# KiCad board cynthion.kicad_pcb (continued)
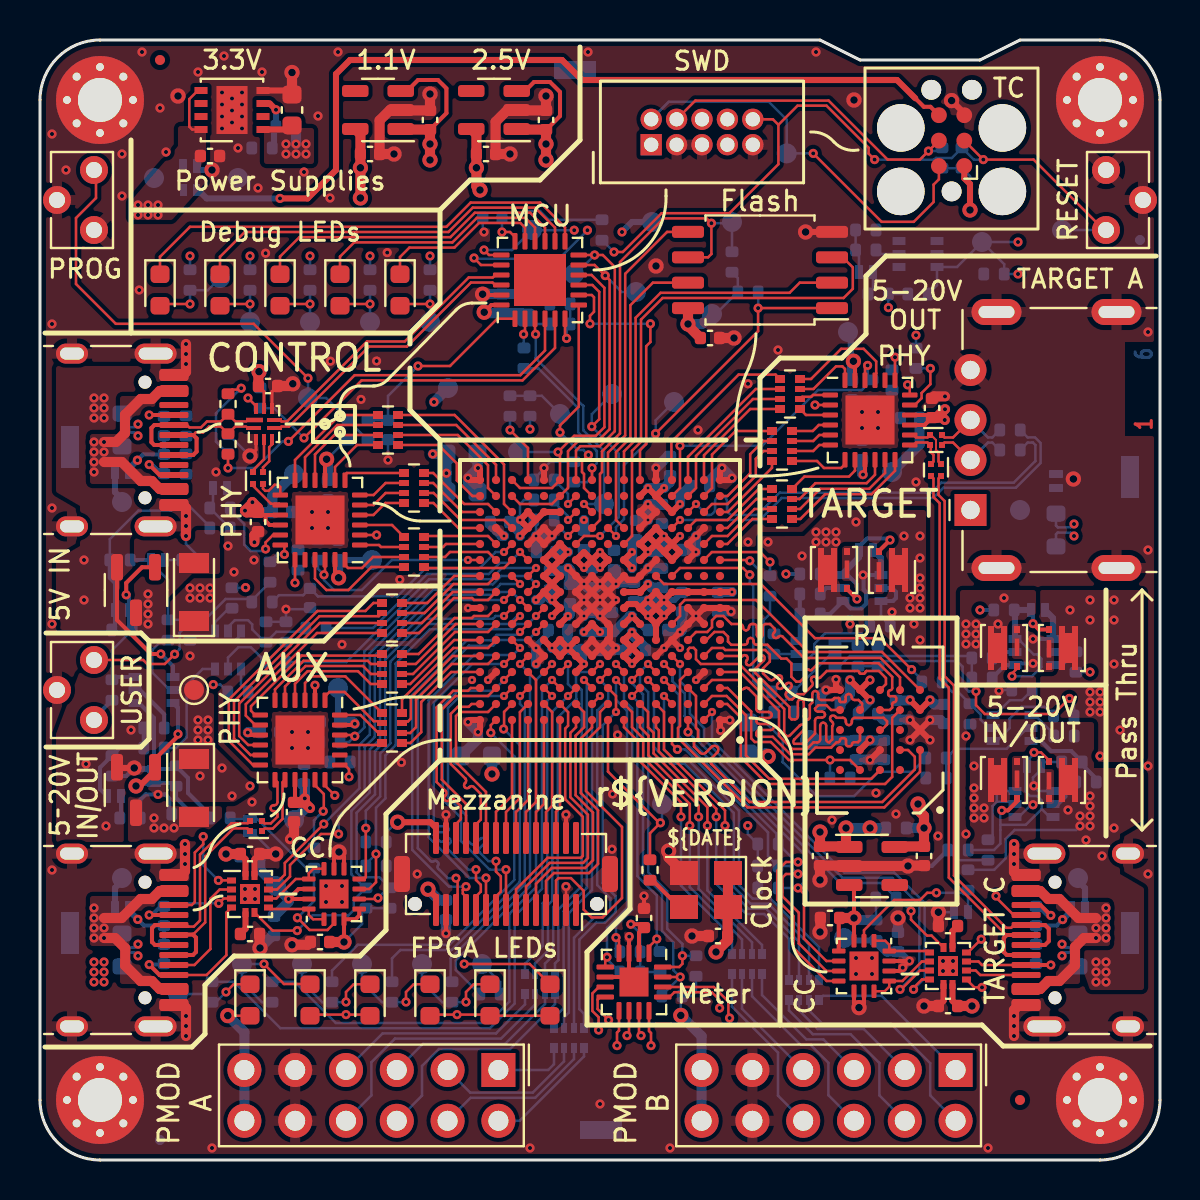
[diagram p0: board, top side]
## Routing (per net, layer and track width the routed paths; a pad name or vN(x,y) marks a point on that pad's centre or on a via; arc(x,y) is an arc through that point) (continued)
/AUX Port/AUX PHY/NXT: length 5.6
  Top w0.127: U11.3 13.25,23.85 13.58,24.18 15.27,24.18 RN8.5
/AUX Port/AUX PHY/PHY_D+: length 3.3
  Top w0.127: U11.14 12.13,18.89 12.13,17.06 11.64,16.57 11.22,16.57 FL1.1
/AUX Port/AUX PHY/PHY_D-: length 3.3
  Top w0.127: U11.13 11.87,18.89 11.87,17.89 arc(11.83,17.78) 11.72,17.74 11.68,17.74 arc(11.58,17.7) 11.53,17.59 arc(11.58,17.48) 11.68,17.44 11.72,17.44 arc(11.83,17.4) 11.87,17.29 11.87,17.16 11.54,16.83 11.22,16.83 FL1.3
/AUX Port/AUX PHY/RBIAS: length 1.7
  Top w0.127: v1(15.45,19.16) 15.45,19.54 15.24,19.75 U11.19
  Bottom w0.127: R20.2 15.45,19.84 v1(15.45,19.16)
/AUX Port/AUX PHY/STP: length 2.5
  Top w0.127: RN8.7 16.92,21.35 16.02,22.25 U11.24
/AUX Port/AUX Type C Controller/CC1: length 5.7
  Top w0.127: v1(8.94,12.83) 9.19,13.08 U14.3
  Top w0.203: J1.A5 v1(5.46,12.25)
  Bottom w0.127: v1(8.94,12.83) 6.35,12.83 C52.1
  Bottom w0.203: C52.1 6.02,12.68 5.59,12.25 v1(5.46,12.25)
/AUX Port/AUX Type C Controller/CC1S: length 3.6
  Top w0.127: U14.8 11.81,13.08 12.79,14.05 U12.11 13.44,14.33 13.67,14.56 U12.10
/AUX Port/AUX Type C Controller/CC2: length 7.7
  Top w0.127: U14.4 9.32,12.37 9.32,10.24 8.33,9.25 J1.B5
  Top w0.203: v1(5.46,9.77) 5.98,9.25 J1.B5
  Bottom w0.203: v1(5.46,9.77) 6.15,9.77 C53.1
/AUX Port/AUX Type C Controller/CC2S: length 3.2
  Top w0.127: U14.7 11.5,12.55 U12.14 13.44,12.25 13.65,12.04 U12.1
/AUX Port/AUX Type C Controller/VCONN: length 6.1
  Top w0.203: U12.13 v1(12.43,13.05) 12.93,13.55 U12.12
  Bottom w0.508: C51.1 12.43,12.91 v1(12.43,13.05) 11.8,13.68 TP37.1 11.01,14.49 R32.1
/AUX Port/AUX_D+: length 10.1
  Top w0.127: 7.65,11.27 8.26,11.88 8.26,15.17 9.67,16.58 10.37,16.58 FL1.2
  Top w0.203: J1.A6 6.72,11.27 7.65,11.27 7.8,11.12 7.8,10.4 7.65,10.25 J1.B6
/AUX Port/AUX_D-: length 11
  Top w0.127: FL1.4 10.39,16.84 9.57,16.84 8,15.27 8,11.98 7.69,11.67 7.42,11.67 7.34,11.75 J1.B7
  Top w0.203: J1.A7 5.75,10.75 5.6,10.9 5.6,11.6 5.75,11.75 J1.B7
/AUX Port/AUX_PHY.CLK: length 6.3
  Top w0.127: IC1.D16 20.56,24.4 19.06,22.9 19.06,21.39 18.52,20.85 RN8.1
/AUX Port/AUX_PHY.DATA0: length 4.8
  Top w0.127: IC1.F16 20.71,26 18.51,23.8 RN9.1
/AUX Port/AUX_PHY.DATA1: length 5.7
  Top w0.127: RN9.2 18.65,24.3 20.75,26.4 22.4,26.4 IC1.G15
/AUX Port/AUX_PHY.DATA2: length 4.7
  Top w0.127: RN9.3 18.79,24.8 20.79,26.8 IC1.G16
/AUX Port/AUX_PHY.DATA3: length 5.7
  Top w0.127: RN9.4 18.93,25.3 20.73,27.1 21.6,27.1 21.7,27.2 22.4,27.2 IC1.H15
/AUX Port/AUX_PHY.DATA4: length 5.6
  Top w0.127: RN10.1 18.95,26.35 20.7,28.1 21.6,28.1 21.7,28 22.4,28 IC1.J15
/AUX Port/AUX_PHY.DATA5: length 4.5
  Top w0.127: RN10.2 19.09,26.85 20.64,28.4 IC1.J16
/AUX Port/AUX_PHY.DATA6: length 5.5
  Top w0.127: RN10.3 19.23,27.35 20.68,28.8 22.4,28.8 IC1.K15
/AUX Port/AUX_PHY.DATA7: length 4.5
  Top w0.127: IC1.K16 20.71,29.2 19.36,27.85 RN10.4
/AUX Port/AUX_PHY.DIR: length 5.9
  Top w0.127: IC1.E16 20.63,25.2 18.54,23.11 18.54,22.07 18.4,21.93 18.18,21.93 RN8.3
/AUX Port/AUX_PHY.NXT: length 6.6
  Top w0.127: RN8.4 18.1,23.03 20.67,25.6 22.4,25.6 IC1.F15
/AUX Port/AUX_PHY.STP: length 7.1
  Top w0.127: RN8.2 18.51,21.35 18.8,21.64 18.8,23.01 20.59,24.8 22.4,24.8 IC1.E15
/AUX Port/AUX_PHY.~{RESET}: length 17
  Top w0.127: U11.22 15.68,21.25 v1(15.74,21.19) ; IC1.J13 v2(24.8,28.8)
  Bottom w0.127: R24.1 15.45,20.9 v1(15.74,21.19) 15.78,21.19 16.22,21.63 16.22,25.43 19.57,28.78 22.64,28.78 23.06,29.2 24.4,29.2 v2(24.8,28.8)
/AUX Port/AUX_SBU1: length 5.9
  Top w0.127: J1.A8 7.72,9.75 8.52,10.55 8.52,13.06 8.98,13.53 U14.2
/AUX Port/AUX_SBU2: length 7.7
  Top w0.127: U14.1 9.57,13.98 v1(8.92,13.98) ; v1(8.16,16.17) 8.16,15.79 7.74,15.37 7.74,12.9 7.59,12.75 J1.B8
  Bottom w0.127: v1(8.92,13.98) 8.16,14.74 v1(8.16,16.17)
/AUX Port/AUX_TYPE_C.SBU1S: length 24
  Top w0.127: U14.9 11.86,13.53 12.5,14.17 12.5,14.75 14.05,16.3 v1(14.93,16.3) ; IC1.H13 v2(24,28)
  Bottom w0.127: v2(24,28) 23.6,28.4 22.99,28.4 22.85,28.26 19.77,28.26 16.74,25.23 16.74,21.16 16.23,20.65 16.23,18.48 14.93,17.18 v1(14.93,16.3)
/AUX Port/AUX_TYPE_C.SBU2S: length 23.3
  Top w0.127: IC1.K14 v2(24,28.8) ; v1(14.19,16.8) 12.24,14.85 12.24,14.27 11.94,13.97 U14.10
  Bottom w0.127: v1(14.19,16.8) 15.97,18.58 15.97,20.75 16.48,21.26 16.48,25.33 19.67,28.52 22.75,28.52 23.03,28.8 v2(24,28.8)
/AUX Port/AUX_TYPE_C.SCL: length 21.7
  Top w0.127: IC1.H12 v2(24.8,27.2) ; v1(16.8,15.3) 16.8,13.89 16.46,13.55 U12.6
  Bottom w0.127: R38.2 16.29,14.79 v1(16.8,15.3) 16.8,17.61 17.27,18.08 17.27,20.23 17.78,20.74 17.78,24.82 19.5,26.54 23.56,26.54 23.82,26.8 24.4,26.8 v2(24.8,27.2)
/AUX Port/AUX_TYPE_C.SDA: length 20.3
  Top w0.127: IC1.G14 v2(24,27.2) ; v1(16.29,16.59) 16.29,14.14 16.2,14.05 U12.7
  Bottom w0.127: R33.2 v1(16.29,16.59) 16.29,17.46 17.01,18.18 17.01,20.33 17.52,20.84 17.52,24.92 19.4,26.8 23.46,26.8 23.86,27.2 v2(24,27.2)
/AUX Port/AUX_TYPE_C.~{FAULT}: length 27.5
  Top w0.127: U14.6 11.63,11.47 v1(12.86,11.47) ; IC1.J14 v2(23.2,28)
  Bottom w0.127: v1(12.86,11.47) 13.62,12.23 15.42,12.23 15.69,12.5 15.69,13 R99.2 16.24,13.61 15.57,14.28 15.57,17.46 16.49,18.38 16.49,20.53 17,21.04 17,25.13 19.87,28 v2(23.2,28)
/AUX Port/AUX_TYPE_C.~{INT}: length 22.4
  Top w0.127: v1(16.9,13.1) 16.85,13.05 U12.5 ; IC1.H14 v2(23.2,27.2)
  Bottom w0.127: v1(16.9,13.1) 17.41,13.61 R39.2 16.98,14.13 16.08,14.13 15.83,14.38 15.83,17.36 16.75,18.28 16.75,20.43 17.26,20.94 17.26,25.03 19.29,27.06 22.64,27.06 22.78,27.2 v2(23.2,27.2)
/Clock and Miscellaneous/CLOCK_60MHZ: length 9.3
  Top w0.127: IC1.A8 28.4,19.42 30.96,16.86 v1(31.02,16.86) 30.5,16.34 R108.1
  Bottom w0.127: v1(31.02,16.86) 31.1,16.94 TP1.1
/CONTROL Port/CONTROL PHY/CLK: length 6.1
  Top w0.127: RN5.8 16.57,29.65 15.42,28.5 14.32,28.5 13.75,29.07 U8.21
/CONTROL Port/CONTROL PHY/DATA0: length 2.5
  Top w0.127: U8.4 16.67,32.25 17.27,32.85 RN6.8
/CONTROL Port/CONTROL PHY/DATA1: length 2.5
  Top w0.127: U8.5 16.68,32.75 17.28,33.35 RN6.7
/CONTROL Port/CONTROL PHY/DATA2: length 2.5
  Top w0.127: U8.6 16.68,33.25 17.28,33.85 RN6.6
/CONTROL Port/CONTROL PHY/DATA3: length 3.3
  Top w0.127: U8.7 15.25,34.26 15.34,34.35 RN6.5
/CONTROL Port/CONTROL PHY/DATA4: length 3.3
  Top w0.127: U8.8 14.75,34.65 15.85,35.75 RN7.8
/CONTROL Port/CONTROL PHY/DATA5: length 4.8
  Top w0.127: RN7.7 14.72,36.25 13.75,35.28 U8.10
/CONTROL Port/CONTROL PHY/DATA6: length 5.5
  Top w0.127: U8.11 13.25,35.14 14.86,36.75 RN7.6
/CONTROL Port/CONTROL PHY/DATA7: length 6.1
  Top w0.127: U8.12 12.75,35 15,37.25 RN7.5
/CONTROL Port/CONTROL PHY/DIR: length 2.3
  Top w0.127: RN5.6 17.05,30.65 16.95,30.75 U8.1
/CONTROL Port/CONTROL PHY/NXT: length 2.5
  Top w0.127: U8.3 17.6,31.75 RN5.5
/CONTROL Port/CONTROL PHY/PHY_D+: length 1.9
  Top w0.127: U8.14 11.95,32.81 11.55,32.81 10.65,33.71 FL3.1
/CONTROL Port/CONTROL PHY/PHY_D-: length 1.7
  Top w0.127: FL3.3 11.15,33.57 11.26,33.46 11.43,33.46 11.73,33.76 11.9,33.76 12.01,33.65 U8.13
/CONTROL Port/CONTROL PHY/RBIAS: length 1.8
  Top w0.127: U8.19 v1(12.75,28.86)
  Bottom w0.127: v1(12.75,28.86) 12.75,29.34 R16.2
/CONTROL Port/CONTROL PHY/STP: length 3.5
  Top w0.127: RN5.7 16.65,30.15 16.1,29.6 15.4,29.6 15.25,29.75 U8.24
/CONTROL Port/CONTROL_CC1: length 3.1
  Top w0.203: J2.A5 v1(5.46,37.25)
  Bottom w0.203: R34.2 6.23,37.21 C25.1 6.13,37.25 v1(5.46,37.25)
/CONTROL Port/CONTROL_CC2: length 3.5
  Top w0.203: v1(5.46,34.77) 5.98,34.25 J2.B5
  Bottom w0.203: R35.2 6.23,34.29 C47.1 6.05,34.32 5.6,34.77 v1(5.46,34.77)
/CONTROL Port/CONTROL_D+: length 6.2
  Top w0.127: 7.66,36.25 7.78,36.37 8.15,36.37 8.45,36.67 9.04,36.67 R56.2 9.76,36.67 10.31,36.67
  Top w0.203: J2.A6 7.66,36.25 7.83,36.08 7.83,35.42 7.66,35.25 J2.B6
/CONTROL Port/CONTROL_D-: length 7.2
  Top w0.127: 10.31,36.93 9.76,36.93 R55.1 9.04,36.93 8.35,36.93 8.05,36.63 7.47,36.63 7.35,36.75 J2.B7
  Top w0.203: J2.B7 5.72,36.75 5.57,36.6 5.57,35.89 5.71,35.75 J2.A7
/CONTROL Port/CONTROL_MCU_D+: length 14.4
  Top w0.127: 11.72,36.6 12,36.6 12.07,36.67 12.45,36.67 16.45,40.67 18.35,40.67 21.55,43.87 22.63,43.87 22.75,43.75 U6.22
/CONTROL Port/CONTROL_MCU_D-: length 14.4
  Top w0.127: 11.72,37 12,37 12.07,36.93 12.35,36.93 16.35,40.93 18.24,40.93 21.44,44.13 22.64,44.13 22.76,44.25 U6.21
/CONTROL Port/CONTROL_PHY.CLK: length 4.6
  Top w0.127: IC1.L14 23.2,29.6 19.25,29.6 RN5.1
/CONTROL Port/CONTROL_PHY.DATA0: length 3.3
  Top w0.127: RN6.1 19.67,32.85 20.92,31.6 IC1.N16
/CONTROL Port/CONTROL_PHY.DATA1: length 5.1
  Top w0.127: IC1.N14 23.2,32 21.03,32 19.68,33.35 RN6.2
/CONTROL Port/CONTROL_PHY.DATA2: length 3.4
  Top w0.127: IC1.P16 21.11,32.4 19.66,33.85 RN6.3
/CONTROL Port/CONTROL_PHY.DATA3: length 4.4
  Top w0.127: RN6.4 19.66,34.35 21.21,32.8 22.4,32.8 IC1.P15
/CONTROL Port/CONTROL_PHY.DATA4: length 5.7
  Top w0.127: RN7.1 19.92,35.75 20.84,34.83 20.84,33.98 21.62,33.2 IC1.R16
/CONTROL Port/CONTROL_PHY.DATA5: length 6.8
  Top w0.127: RN7.2 20.89,36.25 22.4,34.74 22.4,33.6 IC1.R15
/CONTROL Port/CONTROL_PHY.DATA6: length 6.5
  Top w0.127: RN7.3 20.81,36.75 22.8,34.76 IC1.T15
/CONTROL Port/CONTROL_PHY.DATA7: length 8.9
  Top w0.127: IC1.P14 23.2,32.8 23.2,34.78 20.73,37.25 RN7.4
/CONTROL Port/CONTROL_PHY.DIR: length 2.9
  Top w0.127: IC1.M16 20.3,30.8 20.15,30.65 RN5.3
/CONTROL Port/CONTROL_PHY.NXT: length 3.8
  Top w0.127: IC1.M15 22.4,31.2 19.25,31.2 RN5.4
/CONTROL Port/CONTROL_PHY.STP: length 3.9
  Top w0.127: RN5.2 20.25,30.15 20.5,30.4 22.4,30.4 IC1.L15
/CONTROL Port/CONTROL_PHY.~{RESET}: length 10.5
  Top w0.127: IC1.L16 v2(21.4,30) ; v1(14.2,29.26) 14.25,29.31 U8.22
  Bottom w0.127: R22.1 13.9,29.56 v1(14.2,29.26) 14.2,29 14.7,28.5 16.09,28.5 17.59,30 v2(21.4,30)
/CONTROL Port/CONTROL_RESET_DETECT: length 26.1
  Top w0.127: v1(10.06,38.59) 9.99,38.52 9.61,38.52 R55.2 ; v1(12.42,35.93) 15.73,39.24 24.02,39.24 25.25,40.47 U6.4 ; R56.1 v1(9.4,34.6)
  Bottom w0.127: v1(10.06,38.59) 8.8,37.33 8.8,35.92 C62.1 v1(9.4,34.6) 10.79,34.6 12.12,35.93 v1(12.42,35.93)
/CONTROL Port/CONTROL_SWITCH: length 20.2
  Top w0.127: U16.10 10.8,37.7 v1(10.4,38.1) ; v1(13.2,36.1) 16.08,38.98 24.13,38.98 25.75,40.6 U6.5
  Bottom w0.127: v1(10.4,38.1) 10.91,37.59 R15.2 11.71,37.59 v1(13.2,36.1)
/Debugger/FPGA_ADV: length 13.3
  Top w0.127: v1(27.5,41.81) 27.5,42.21 27.7,42.41 27.7,43.14 27.59,43.25 U6.8 ; v1(30.52,41.81) 30.52,40.9 30.31,40.69 30.31,35.8 30,35.49 IC1.T6
  Bottom w0.127: v1(30.52,41.81) v1(27.5,41.81)
/Debugger/FPGA_CONFIG.DONE: length 12.3
  Top w0.127: IC1.P9 v2(27.2,32.8) ; v1(24.78,41.29) 24.75,41.32 U6.3
  Bottom w0.127: v2(27.2,32.8) TP12.1 28.2,35.45 27.17,36.48 27.17,37.7 24.78,40.09 v1(24.78,41.29)
/Debugger/FPGA_CONFIG.~{INIT}: length 9.1
  Top w0.127: IC1.T9 v1(27.6,34.6)
  Bottom w0.127: R118.1 24.92,39.58 26.91,37.59 26.91,36.38 27.84,35.45 27.84,34.84 v1(27.6,34.6) 27.6,34.15 27.34,33.89 R102.1
/Debugger/FPGA_CONFIG.~{PROGRAM}: length 14.8
  Top w0.127: IC1.R9 27.2,33.6 27.2,34.3 27.1,34.4 27.1,34.93 v1(27.42,35.25) ; v1(26,36.38) 26,36.73 26.94,37.67 U6.7
  Bottom w0.127: v1(27.42,35.25) 27.17,35.5 26.88,35.5 v1(26,36.38) TP14.1 25.09,38.21 R6.2 R5.1
/Debugger/FPGA_JTAG.TCK: length 15.5
  Top w0.127: U6.12 v1(27.73,45.25) 28.14,45.25 28.74,44.65 28.74,36.44 27.99,35.69 27.02,35.69 26.8,35.47 IC1.T10
  Bottom w0.127: TP21.1 26.78,44.3 v1(27.73,45.25)
/Debugger/FPGA_JTAG.TDI: length 18.9
  Top w0.127: IC1.R14 24,32.8 25.6,32.8 IC1.R11 26.4,33.6 26.4,35.44 26.91,35.95 27.89,35.95 28.48,36.54 28.48,44 v1(28.26,44.22) 27.73,44.75 U6.11
  Bottom w0.127: TP24.1 29.08,43.4 v1(28.26,44.22)
/Debugger/FPGA_JTAG.TDO: length 17.9
  Top w0.127: U6.9 27.62,43.75 27.96,43.41 27.96,37.04 v1(27.59,36.67) ; IC1.M10 27.2,31.2 v2(28,31.2)
  Bottom w0.127: v2(28,31.2) 28.94,32.14 28.94,35.32 v1(27.59,36.67) 27.59,37.29 TP23.1
/Debugger/FPGA_JTAG.TMS: length 17.5
  Top w0.127: IC1.T14 24,33.6 25.6,33.6 IC1.T11 26,35.3 v1(25.9,35.4) 26.71,36.21 27.79,36.21 28.22,36.64 28.22,43.61 27.58,44.25 U6.10
  Bottom w0.127: v1(25.9,35.4) TP22.1
/Debugger/LED10: length 23.4
  Top w0.127: 6,44.38 6,45.16 7.5,46.66 20.32,46.66 21.53,47.87 25.01,47.87 26.25,46.63 U6.13
/Debugger/LED11: length 19.6
  Top w0.127: 9,44.38 9,45.16 10.24,46.4 20.42,46.4 21.64,47.62 24.75,47.62 25.75,46.62 U6.14
/Debugger/LED12: length 15.9
  Top w0.127: U6.15 25.25,46.62 24.51,47.36 21.74,47.36 20.52,46.14 12.97,46.14 12,45.17 12,44.38
/Debugger/LED13: length 12.2
  Top w0.127: 15,44.38 15,45.17 15.71,45.88 20.62,45.88 21.85,47.11 24.26,47.11 24.75,46.62 U6.16
/Debugger/LED14: length 8.5
  Top w0.127: U6.17 24.25,46.62 24.02,46.85 21.95,46.85 20.72,45.62 18.47,45.62 18,45.15 18,44.38
/Debugger/MCU_SWCLK: length 31.7
  Top w0.127: v1(22.2,45.5) 22.45,45.25 U6.19 ; 44.94,50.97 44,50.02 42.38,50.02 39.43,52.97 32.76,52.97 J6.4
  In2.Cu w0.127: J6.4 31.01,52.85 29.94,52.85 26.71,49.62 v1(26.71,46.49)
  Bottom w0.127: v1(44.42,50.45) 44.94,50.45 R111.2 ; v1(26.71,46.49) 24.61,46.49 TP19.1 23.6,45.5 v1(22.2,45.5)
/Debugger/MCU_SWDIO: length 35.9
  Top w0.127: v1(21.7,45.1) 22.05,44.75 U6.20 ; 44.94,49.7 44.94,49.03 44.68,48.77 44.68,47.9 43.69,46.91 42.08,46.91 v1(38.66,50.33)
  In2.Cu w0.127: v1(27.37,46.49) 26.97,46.89 26.97,49.52 29.49,52.03 J6.2
  Bottom w0.127: J6.2 31.44,52.91 36.44,52.91 37.34,52.02 TP20.1 v1(38.66,50.33) ; v1(21.7,45.1) 21.74,45.06 25.94,45.06 v1(27.37,46.49)
/Debugger/~{BTN_PROGRAM}: length 10.2
  Top w0.127: U6.1 22.86,42.06 20.5,39.7 v1(18.9,39.7)
  Bottom w0.127: v1(18.9,39.7) 17.4,38.2 C76.1 16.43,36.98 R104.1
/Debugger/~{BTN_RESET}: length 37.6
  Top w0.127: v1(41.73,50.02) 41.43,50.32 41.43,50.61 39.32,52.72 37.88,52.72 36.92,51.76 ; 36.92,51.76 36.92,49.79 34.47,47.34 31.08,47.34 29.14,45.4 v1(28.7,45.4) ; 36.92,51.76 36.65,52.03 J6.10 ; 53.2,46.5 49.68,50.02 v1(47.16,50.02) J10.3
  Bottom w0.127: v1(28.7,45.4) 28.11,45.99 R105.1 ; TP18.1 53.2,46.5 ; v1(41.73,50.02) 44.72,50.02 44.8,50.1 45.59,50.1 R25.2 46.69,50.02 v1(47.16,50.02)
/Expansion Interfaces/A1: length 3.7
  Bottom w0.127: RN1.8 25.7,4.79 25.41,4.5 J7.1
/Expansion Interfaces/A2: length 7.6
  Bottom w0.127: RN1.7 26.2,4.93 24.64,3.37 21.51,3.37 J7.2
/Expansion Interfaces/A3: length 9.3
  Bottom w0.127: RN2.6 25.25,7.8 23.26,5.81 19.15,5.81 J7.3
/Expansion Interfaces/A4: length 10.8
  Bottom w0.127: RN2.8 24.25,7.78 22.8,6.33 17.13,6.33 J7.4
/Expansion Interfaces/A7: length 6
  Bottom w0.127: J7.7 23.98,1.96 27.2,5.18 RN1.5
/Expansion Interfaces/A8: length 8.1
  Bottom w0.127: J7.8 21.53,3.11 24.76,3.11 26.7,5.05 RN1.6
/Expansion Interfaces/A9: length 11.7
  Bottom w0.127: J7.9 19.1,3.22 19.1,4.7 19.95,5.55 23.51,5.55 25.75,7.79 RN2.5
/Expansion Interfaces/A10: length 13.4
  Bottom w0.127: RN2.7 24.75,7.77 23.05,6.07 17.75,6.07 16.57,4.89 16.57,3.23 J7.10
/Expansion Interfaces/B1: length 8.5
  Bottom w0.127: RN4.5 39.16,8.21 42.07,8.21 J8.1
/Expansion Interfaces/B2: length 7
  Bottom w0.127: RN4.7 37.95,7.48 38.88,6.55 41.19,6.55 J8.2
/Expansion Interfaces/B3: length 7.2
  Bottom w0.127: RN3.5 36.1,8.25 38.32,6.03 39.17,6.03 J8.3
/Expansion Interfaces/B4: length 6.1
  Bottom w0.127: RN3.7 35.1,7.56 J8.4
/Expansion Interfaces/B7: length 11.1
  Bottom w0.127: RN4.6 38.45,7.48 39.12,6.81 42.54,6.81 44.51,4.84 44.51,3.23 J8.7
/Expansion Interfaces/B8: length 9.5
  Bottom w0.127: J8.8 41.97,3.23 41.97,4.85 40.53,6.29 38.64,6.29 37.45,7.48 RN4.8
/Expansion Interfaces/B9: length 9.7
  Bottom w0.127: J8.9 39.42,3.24 39.42,4.86 38.51,5.77 38.02,5.77 35.6,8.19 RN3.6
/Expansion Interfaces/B10: length 8.8
  Bottom w0.127: J8.10 36.9,3.22 36.9,5.37 34.6,7.67 RN3.8
/Expansion Interfaces/MEZZANINE3: length 17.5
  Top w0.127: IC1.B8 28,22.4 28,21.64 27.3,20.94 27.3,18.45 29.1,16.65 29.1,13.1 28.13,12.13 27.58,12.13 27.18,12.52 27.18,13.46 26.55,14.09 25.92,14.09 25.8,13.97 J5.3
/Expansion Interfaces/MEZZANINE4: length 12.2
  Top w0.127: J5.4 25.3,13.95 25.7,14.35 27.45,14.35 27.9,14.8 27.9,17.49 27.04,18.35 27.04,21.07 27.6,21.63 IC1.A9
/Expansion Interfaces/MEZZANINE5: length 13.2
  Top w0.127: J5.5 24.8,13.81 25.59,14.6 27.26,14.6 27.65,14.99 27.65,17.37 26.78,18.24 26.78,21.22 27.2,21.64 27.2,22.4 IC1.B10
/Expansion Interfaces/MEZZANINE6: length 12.2
  Top w0.127: IC1.A10 26.8,21.64 26.52,21.36 26.52,18.14 27.39,17.27 27.39,15.1 27.15,14.86 25.49,14.86 24.3,13.67 J5.6
/Expansion Interfaces/MEZZANINE7: length 13.3
  Top w0.127: IC1.B11 26.4,22.4 26.4,21.71 26.26,21.57 26.26,18.04 27.14,17.16 27.14,15.2 27.05,15.11 25.38,15.11 23.8,13.53 J5.7
/Expansion Interfaces/MEZZANINE8: length 16.2
  Top w0.127: IC1.D14 v2(23.2,24) ; v1(23.3,14.52) J5.8
  Bottom w0.127: v1(23.3,14.52) 22.48,14.52 21.05,15.95 21.05,17.12 20.14,18.03 20.14,22.7 20.9,23.46 22.66,23.46 v2(23.2,24)
/Expansion Interfaces/MEZZANINE9: length 16.2
  Top w0.127: J5.9 22.8,13.18 23.04,13.42 23.04,14.18 22.8,14.42 v1(22.8,14.94) ; IC1.C14 v2(23.2,23.2)
  Bottom w0.127: v1(22.8,14.94) 22.42,14.94 21.98,15.38 arc(21.94,15.49) 21.98,15.59 22.23,15.85 arc(22.28,15.95) 22.23,16.06 arc(22.13,16.1) 22.02,16.06 21.77,15.8 arc(21.66,15.76) 21.56,15.8 21.31,16.05 21.31,17.22 20.4,18.13 20.4,22.6 21,23.2 v2(23.2,23.2)
/Expansion Interfaces/MEZZANINE10: length 18.4
  Top w0.127: v1(22.3,14.1) J5.10 ; IC1.F14 v2(24,25.6)
  Bottom w0.127: v1(22.3,14.1) 21.47,14.1 19.43,16.14 19.43,22.98 21.7,25.25 23.65,25.25 v2(24,25.6)
/Expansion Interfaces/MEZZANINE11: length 18.4
  Top w0.127: J5.11 21.8,13.18 22.04,13.42 22.04,13.76 21.8,14 v1(21.8,14.52) ; IC1.E14 v2(23.2,24.8)
  Bottom w0.127: v1(21.8,14.52) 21.41,14.52 20.4,15.53 arc(20.36,15.64) 20.4,15.74 20.5,15.84 arc(20.54,15.95) 20.5,16.05 arc(20.39,16.1) 20.28,16.05 20.19,15.96 arc(20.08,15.91) 19.97,15.95 19.69,16.24 arc(19.73,16.35) 19.84,16.39 20.29,16.39 arc(20.4,16.43) 20.44,16.54 arc(20.4,16.65) 20.29,16.69 19.84,16.69 arc(19.73,16.73) 19.69,16.84 19.69,22.88 21.61,24.8 v2(23.2,24.8)
/Expansion Interfaces/MEZZANINE12: length 19.7
  Top w0.127: v1(21.3,13.67) 21.14,13.51 21.14,13.32 21.3,13.16 J5.12 ; IC1.G13 v2(24,26.4)
  Bottom w0.127: v2(24,26.4) 23.86,26.26 22.84,26.26 22.56,25.98 21.35,25.98 18.61,23.24 18.61,15.51 20.45,13.67 v1(21.3,13.67)
/Expansion Interfaces/MEZZANINE13: length 19.8
  Top w0.127: IC1.G12 v2(24.8,26.4) ; J5.13 20.8,13.2 20.88,13.28 20.88,14.01 v1(20.8,14.09)
  Bottom w0.127: v1(20.8,14.09) 20.39,14.09 19.9,14.58 arc(19.87,14.65) 19.9,14.73 arc(19.93,14.8) 19.9,14.88 19.84,14.94 arc(19.76,14.97) 19.69,14.94 arc(19.61,14.91) 19.54,14.94 18.89,15.59 18.89,23.16 21.45,25.72 22.66,25.72 22.94,26 24.4,26 v2(24.8,26.4)
/Expansion Interfaces/MEZZANINE18: length 10.1
  Top w0.127: IC1.C16 21.54,23.6 21.4,23.46 20.66,23.46 19.83,22.63 19.83,18.9 20.28,18.45 arc(20.32,18.34) 20.28,18.24 20.25,18.2 arc(20.2,18.1) 20.25,17.99 arc(20.35,17.95) 20.46,17.99 20.49,18.03 arc(20.6,18.07) 20.7,18.03 21.04,17.69 21.04,17.04 20.8,16.8 J5.18
/Expansion Interfaces/MEZZANINE19: length 10.1
  Top w0.127: IC1.C15 22.4,23.2 20.77,23.2 20.09,22.52 20.09,19.02 21.3,17.81 J5.19
/Expansion Interfaces/MEZZANINE20: length 9
  Top w0.127: J5.20 21.8,16.78 22.04,17.02 22.04,18.3 21.69,18.65 arc(21.58,18.69) 21.48,18.65 21.46,18.63 arc(21.35,18.59) 21.25,18.63 arc(21.2,18.74) 21.25,18.84 21.27,18.86 arc(21.31,18.97) 21.27,19.07 20.54,19.8 20.54,22.31 20.89,22.66 21.44,22.66 21.58,22.8 IC1.B16
/Expansion Interfaces/MEZZANINE21: length 9
  Top w0.127: J5.21 22.3,18.4 20.8,19.9 20.8,22.2 21,22.4 22.4,22.4 IC1.B15
/Expansion Interfaces/MEZZANINE22: length 6.2
  Top w0.127: IC1.A14 23.6,18.21 22.8,17.41 J5.22
/Expansion Interfaces/MEZZANINE23: length 7.2
  Top w0.127: J5.23 23.3,17.4 24,18.1 24,22.4 IC1.B13
/Expansion Interfaces/MEZZANINE24: length 6.1
  Top w0.127: J5.24 23.8,17.4 24.4,18 IC1.A13
/Expansion Interfaces/MEZZANINE25: length 8.7
  Top w0.127: IC1.D13 24.8,24 24.8,17.9 24.3,17.4 J5.25
/Expansion Interfaces/MEZZANINE26: length 6.1
  Top w0.127: J5.26 24.8,17.4 25.2,17.8 IC1.A12
/Expansion Interfaces/MEZZANINE27: length 7
  Top w0.127: IC1.B12 25.6,22.4 25.6,17.7 25.3,17.4 J5.27
/Expansion Interfaces/MEZZANINE28: length 6
  Top w0.127: IC1.A11 26,17.61 25.8,17.41 J5.28
/Expansion Interfaces/PMOD_A1: length 18.7
  Top w0.127: IC1.C9 v2(27.2,24)
  Bottom w0.127: RN1.1 25.7,7.12 26.18,7.6 26.18,12.44 27.34,13.6 27.34,23.86 v2(27.2,24)
/Expansion Interfaces/PMOD_A2: length 17.9
  Top w0.127: IC1.B9 v2(28,23.2)
  Bottom w0.127: v2(28,23.2) IC1.B9 27.6,13.5 26.44,12.34 26.44,7.37 26.2,7.13 RN1.2
/Expansion Interfaces/PMOD_A3: length 16.9
  Top w0.127: IC1.D11 v2(26.4,24.8)
  Bottom w0.127: v2(26.4,24.8) 26.4,23.8 26.82,23.38 26.82,23.05 25.88,22.11 25.88,12.87 25.66,12.65 25.66,10.23 25.25,9.82 RN2.3
/Expansion Interfaces/PMOD_A4: length 15
  Top w0.127: IC1.C12 v2(25.6,23.2)
  Bottom w0.127: v2(25.6,23.2) 25.36,22.96 25.36,13.07 25.13,12.84 25.13,10.7 24.25,9.82 RN2.1
/Expansion Interfaces/PMOD_A7: length 18.8
  Top w0.127: v2(28.8,22.4) 28.8,23.2 IC1.C8
  Bottom w0.127: RN1.4 27.2,7.31 26.97,7.54 26.97,11.02 27.82,11.87 28.25,11.87 28.78,12.4 28.78,13.19 28.13,13.84 28.13,21.73 v2(28.8,22.4)
/Expansion Interfaces/PMOD_A8: length 19.6
  Top w0.127: v2(28,24) IC1.D8
  Bottom w0.127: v2(28,24) 28.41,23.59 28.41,23.03 27.86,22.48 27.86,13.75 28.52,13.09 28.52,12.51 28.14,12.13 27.72,12.13 26.7,11.11 RN1.3
/Expansion Interfaces/PMOD_A9: length 17.6
  Top w0.127: IC1.D9 v2(28,24.8)
  Bottom w0.127: v2(28,24.8) IC1.D9 27,24.4 26.8,24.2 26.8,23.79 27.08,23.51 27.08,13.7 25.92,12.54 25.92,10 25.75,9.83 RN2.4
/Expansion Interfaces/PMOD_A10: length 15.1
  Top w0.127: IC1.C10 v2(26.4,23.2)
  Bottom w0.127: RN2.2 24.75,9.82 25.4,10.47 25.4,12.75 25.62,12.97 25.62,22.42 v2(26.4,23.2)
/Expansion Interfaces/PMOD_B1: length 18.9
  Top w0.127: v2(31.2,23.2) IC1.B4
  Bottom w0.127: RN4.4 38.95,10.64 36.52,13.07 35.63,13.07 34.95,13.75 34.95,17.46 32.34,20.07 31.63,20.07 31.2,20.5 v2(31.2,23.2)
/Expansion Interfaces/PMOD_B2: length 17.3
  Top w0.127: IC1.B5 31.2,22.4 31.2,20.53 34.25,17.48 v1(34.25,16.72)
  Bottom w0.127: v1(34.25,16.72) 34.25,13.73 35.42,12.56 36.31,12.56 37.95,10.92 RN4.2
/Expansion Interfaces/PMOD_B3: length 15
  Top w0.127: v1(33.37,16.72) 33.37,17.64 30.68,20.33 30.68,21.36 30.4,21.64 30.4,22.4 IC1.B6
  Bottom w0.127: v1(33.37,16.72) 33.37,13.48 36.1,10.75 RN3.4
/Expansion Interfaces/PMOD_B4: length 14.9
  Top w0.127: IC1.B7 29.6,22.4 29.6,21.64 30.16,21.08 30.16,20.13 32.49,17.8 v1(32.49,16.72)
  Bottom w0.127: v1(32.49,16.72) 32.49,13.64 35.1,11.03 RN3.2
/Expansion Interfaces/PMOD_B7: length 19.8
  Top w0.127: v2(30.4,24) IC1.C5
  Bottom w0.127: RN4.3 38.45,10.78 36.41,12.82 35.52,12.82 34.69,13.65 34.69,17.35 32.23,19.81 31.53,19.81 30.7,20.64 30.7,23.7 v2(30.4,24)
/Expansion Interfaces/PMOD_B8: length 16.3
  Top w0.127: v1(33.81,17.16) 33.81,17.56 30.94,20.43 30.94,21.49 30.8,21.63 IC1.A5
  Bottom w0.127: RN4.1 37.45,11.06 36.21,12.3 35.32,12.3 33.81,13.81 v1(33.81,17.16)
/Expansion Interfaces/PMOD_B9: length 14
  Top w0.127: v1(32.93,17.16) 32.93,17.72 30.42,20.23 30.42,21.22 30,21.64 IC1.A6
  Bottom w0.127: v1(32.93,17.16) 32.93,13.56 35.6,10.89 RN3.3
/Expansion Interfaces/PMOD_B10: length 13.9
  Top w0.127: v1(32.05,17.16) 32.05,17.88 29.9,20.03 29.9,20.94 29.2,21.64 IC1.A7
  Bottom w0.127: v1(32.05,17.16) 32.05,13.72 34.6,11.17 RN3.1
/FPGA Bank 8 and Configuration Flash/FPGA_CFG0: length 1.7
  Top w0.127: IC1.N10 v2(26.4,31.2)
  Bottom w0.127: R12.1 25.71,31.89 v2(26.4,31.2)
/FPGA Bank 8 and Configuration Flash/FPGA_CFG1: length 1.9
  Top w0.127: IC1.P10 v2(26.4,32)
  Bottom w0.127: R13.1 25.71,32.88 26.4,32.19 v2(26.4,32)
/FPGA Bank 8 and Configuration Flash/FPGA_CFG2: length 2.1
  Top w0.127: IC1.R10 v2(26.4,32.8)
  Bottom w0.127: R14.1 26.4,33.31 v2(26.4,32.8)
/FPGA Bank 8 and Configuration Flash/FPGA_FLASH_CLK: length 24.8
  Top w0.127: U7.6 33.41,45.14 33.57,45.3 v1(33.57,46.84) 33.33,47.08 31.18,47.08 29,44.9 29,36.33 28.1,35.43 28.1,34.4 28,34.3 28,32 IC1.N9
  Bottom w0.127: v1(33.57,46.84) 34.54,46.84 TP10.1 R109.2
/FPGA Bank 8 and Configuration Flash/IO0: length 14.7
  Top w0.127: IC1.T8 28.4,35.37 29.26,36.23 29.26,44.31 31.35,46.41 U7.5
/FPGA Bank 8 and Configuration Flash/IO1: length 18.9
  Top w0.127: IC1.T7 29.2,35.43 29.78,36.01 29.78,42.11 31.03,43.36 37.48,43.36 37.99,43.86 U7.2
/FPGA Bank 8 and Configuration Flash/IO2: length 25.1
  Top w0.127: U7.3 40.13,45.14 40.64,44.63 40.64,43.56 40.18,43.1 31.13,43.1 30.05,42.02 30.05,35.91 29.6,35.46 29.6,31.2 IC1.M7
/FPGA Bank 8 and Configuration Flash/IO3: length 14.9
  Top w0.127: U7.7 30.65,43.86 29.52,42.74 29.52,36.11 28.8,35.39 28.8,32 IC1.N7
/FPGA Bank 8 and Configuration Flash/~{CS}: length 21.4
  Top w0.127: v1(30.78,36.32) 35.91,41.44 v1(35.91,42.59) U7.1 ; IC1.N8 v2(28.8,31.2)
  Bottom w0.127: v2(28.8,31.2) 28.8,31.64 29.2,32.04 29.2,34.74 v1(30.78,36.32) 30.78,36.98 TP11.1 ; R110.2 35.91,42.6 v1(35.91,42.59)
/FPGA Bank 8 and Configuration Flash/~{FPGA_SELF_PROGRAM}: length 3.6
  Top w0.127: v1(23.5,36.5) 24.4,35.6 IC1.T13
  Bottom w0.127: R5.2 v1(23.5,36.5)
/FPGA Banks 0 and 1/LED0: length 19.3
  Top w0.127: IC1.E13 v2(24,24.8)
  Bottom w0.127: v2(24,24.8) 24.5,24.3 24.5,13.69 20.79,9.98 20.79,9.5 R31.2
/FPGA Banks 0 and 1/LED1: length 16.5
  Top w0.127: IC1.C13 v2(24,23.2)
  Bottom w0.127: R30.2 20.53,8.98 20.53,10.08 24.24,13.79 24.24,22.56 24,22.8 v2(24,23.2)
